# Altium PCB NG2093.PcbDoc (part 7 of 8) (continued)
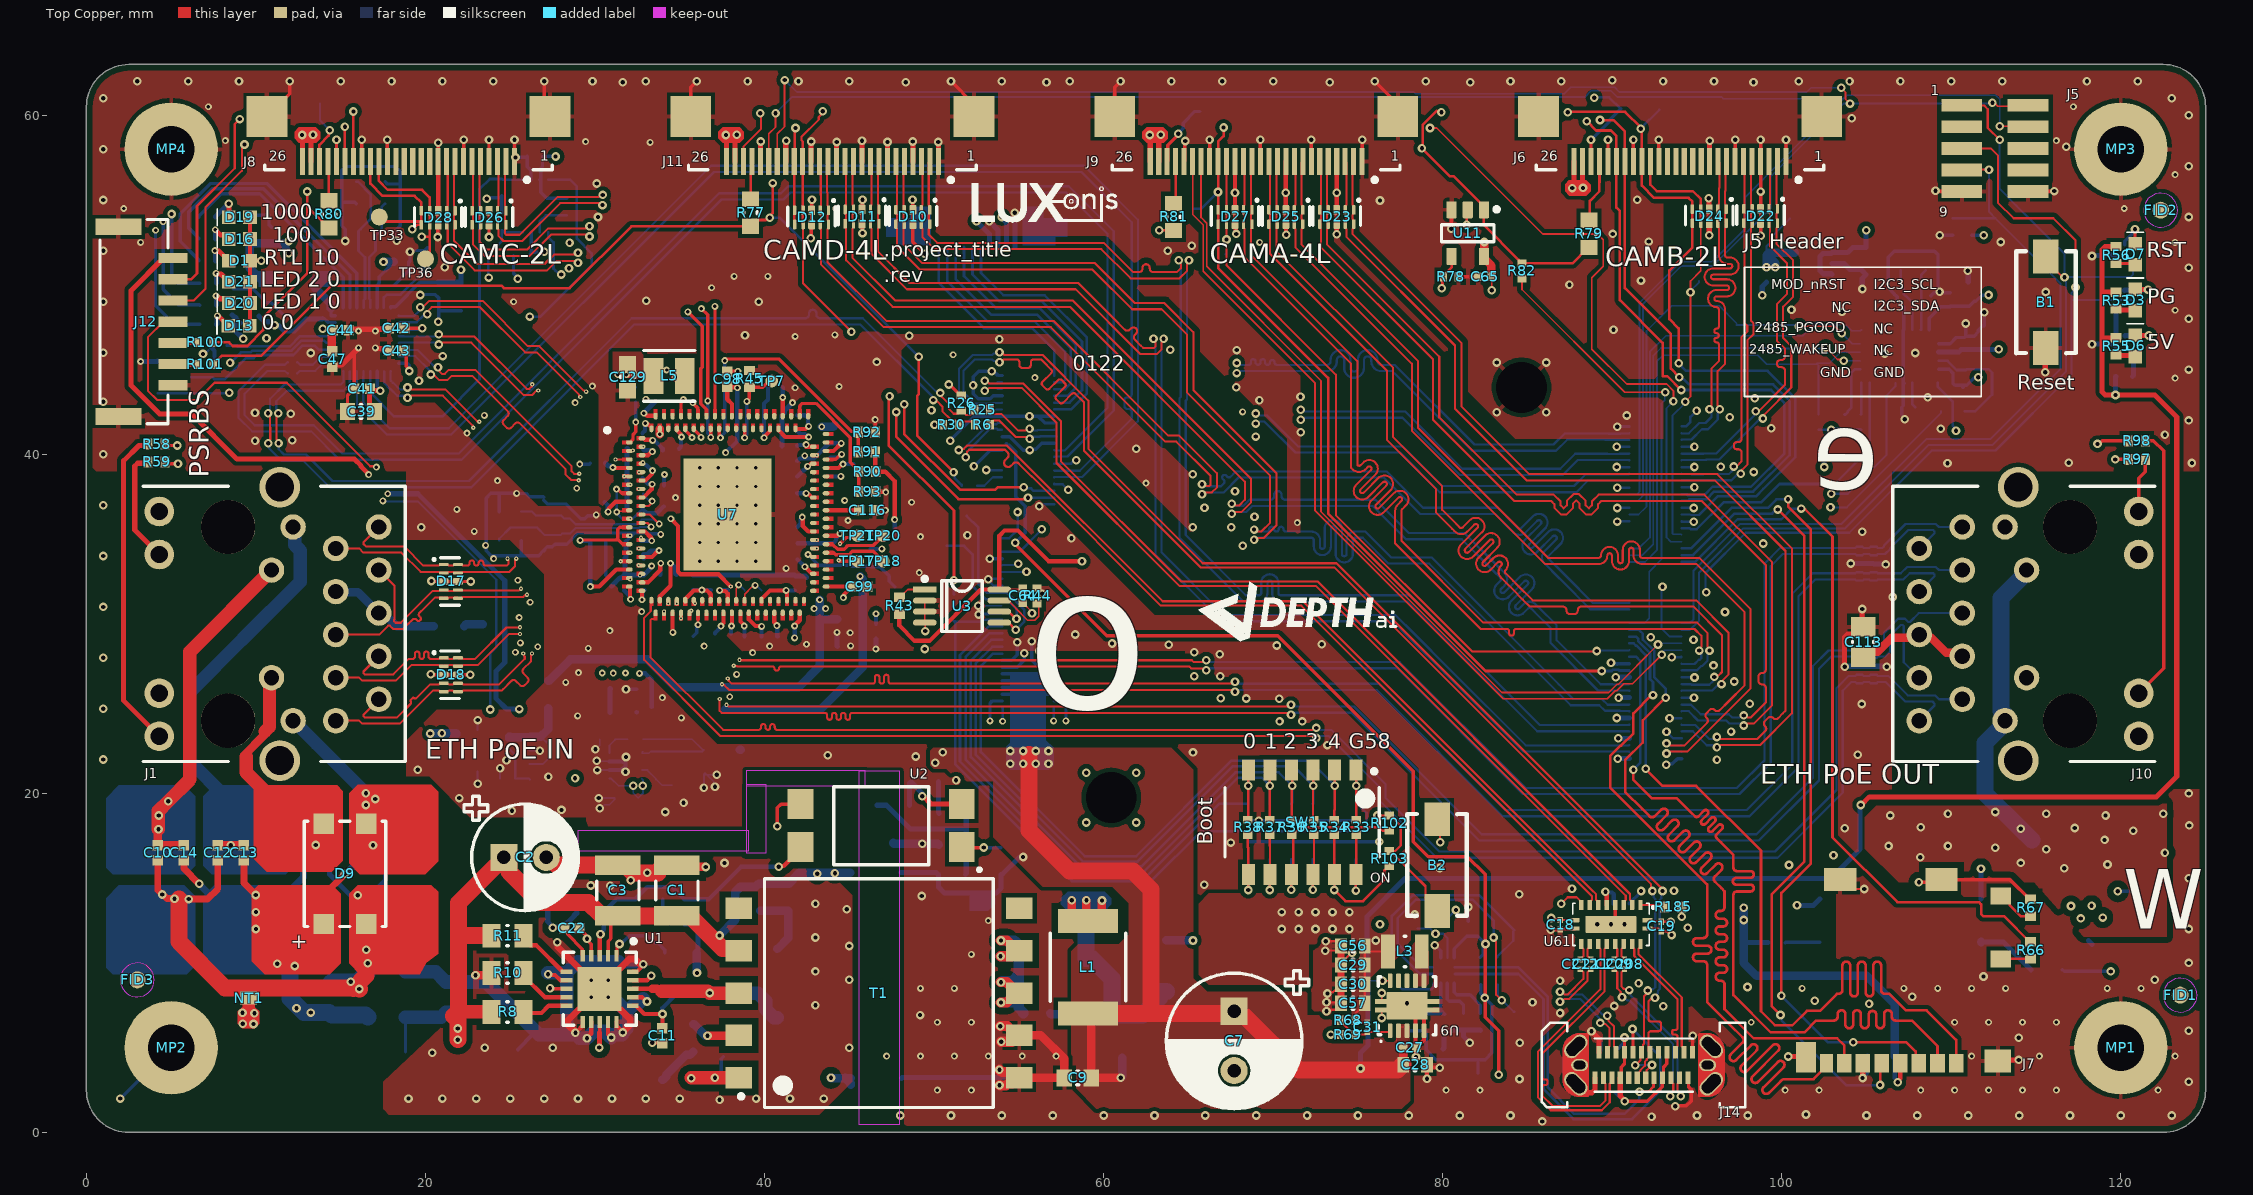
[diagram p0: Top Copper view]
## Nets (pads, with @x,y where several pads share a name; then routed paths per layer and width w, separated by ;. In a path a pad name is that pad's centre, name@x,y a point inside that pad or via, vN(x,y) a via of type N, cw(c..) or ccw(c..) an arc to the next point about the centre after c; other vN are vias at no path point) (continued)
  Top Copper w0.5: v1(22.949,9.279) 22.95,9.28 23.761,9.28 R10.1@23.889,9.409
  Bottom Copper w0.25: TP13.1@25.45,4.9 26.323,5.773 26.676,5.773
  Bottom Copper w0.5: 31.398,10.075 31.559,9.914 v1(32.848,9.914)
  Bottom Copper w0.8: FB3.2@18.796,9.475 20.6,9.475 21.2,8.875 C8.1@21.35,8.875 23.574,8.875 26.676,5.773 28.324,5.773 ; v1@27.225,9.423 28.324,9.423 ; v1@28.846,5.773 28.324,5.773 ; 29.058,5.56 v1(29.525,5.56) 29.926,5.961 30.589,5.961 v1(30.95,5.6) ; v2(30.773,7.975) 31.029,7.975 31.873,7.131 ; v1@30.95,5.773 v1@31.615,5.773 ; 31.398,10.075 28.975,10.075 28.324,9.423 ; v1(31.645,5.9) 31.873,6.128 31.873,7.131 ; 32.848,7.899 32.549,7.6 32.342,7.6 31.873,7.131 ; 28.324,5.773 28.324,9.423
  other v1: 37.348,1.932 19,2 21,2 23,2 25,2 27,2 29,2 31,2 33,2 35,2 39.5,2 41.5,2 43.5,2 20.4,4.7 23.5,5 27.5,5 45,5 43,7.5 45,9 43,9.5 45,11 43,11.5 44.85,13.175 43,13.5 29.748,14.566 30.888,14.554 37.639,15.898
  other v2: 29.773,7.975 29.773,8.975
VNEG_IN: C10.2 C12.2 C16.2 C17.2 C33.1 D8.4 D9.4 FB3.1 NT1.1 | length 37.7
  Top Copper w0.2: 9.55,8.527 9.567,8.51
  Top Copper w0.4: C10.2@4.21,16.05 4.21,14.307 v1(4.48,14.038) 4.509,14.038 4.746,13.8 5.175,13.8 v1(5.195,13.78) 5.201,13.774 5.461,13.774 6.029,13.774 v1(6.035,13.768) 7.144,13.768 7.75,14.374 C12.2@7.75,16.05
  Top Copper w1: 5.461,13.774 5.461,11.251 8.185,8.527 9.55,8.527 15.597,8.527 15.775,8.527 ; 15.748,8.5 15.775,8.527 ; v1(16.098,8.466) 16.037,8.527 15.775,8.527 ; D9.4@16.5,12.3 v1(16.5,10.776) 16.5,9.252 15.775,8.527
  Bottom Copper w0.3: C16.2@14.35,16.051 14.35,15.219 15.569,14 v1(16,14) 16.75,14 17.65,14.9 C17.2@17.65,16.063
  Bottom Copper w0.4: 4.109,13.507 D8.4@5.399,12.217
  Bottom Copper w1: C33.1@14.4,8.8 14.475,8.875 15.996,8.875 FB3.1@16.596,9.475 v1(16.596,9.975) v1@16.596,10.776
  other v1: 15.597,8.891
VNEG_OUT: J10.12 J10.14 NT1.2 U10.3 | length 140.4
  Top Copper w0.102: 9.566,7.111 NT1.2@9.566,7.745
  Top Copper w0.381: 9.566,7.111 9.809,6.868 v1@9.809,6.475
  Signal Layer 2 w0.6: 111.369,23.864 111.369,24.333 112.7,25.664 112.7,25.789 ; 112.851,26.79 114.405,26.79 J10.12@114.44,26.825
  Signal Layer 2 w1: 112.7,25.789 112.7,34.45 113.074,34.824 113.074,35.619 J10.14@113.17,35.715
  Signal Layer 2 w1.27: 9.544,6.834 9.544,6.206 12.259,3.491 34.351,3.491 35.228,4.368 42.414,4.368 52.153,14.107 54.568,14.107 59.218,9.457 75.123,9.457 75.759,10.093 78.871,10.093 79.057,9.907 82.931,9.907 83.117,10.093 84.585,10.093 84.95,10.458 109.958,10.458 111.203,11.703 111.203,16.134 ; 111.168,16.134 111.168,23.856
  Bottom Copper w0.3: v1@111.75,15.653 111.75,13.78 U10.3@111.76,13.77
  other v1: 9.231,6.418 9.859,6.398 9.911,7.036 9.205,7.062 111.751,15.551
VPOS: C1.2 C2.1 C3.2 C4.2 C8.2 C26.1 FB2.2 R4.2 R8.1 R11.1 T1.4 TP5.1 U1.2 U1.13 | length 53.4
  Top Copper w0.2: 30.273,5.9 U1.13@30.273,6.525 ; U1.2@30.773,10.425 30.773,11.281 30.932,11.44 30.932,12.359 C3.2@31.348,12.775
  Top Copper w0.3: v1(30.257,5.009) 30.273,5.024 30.273,5.9
  Top Copper w0.8: 21.662,6.875 21.896,7.109 21.941,7.109 R8.1@23.889,7.109
  Top Copper w1: 21.662,6.875 21.911,6.626 v1(21.911,6.136) v1(21.911,5.477) ; 21.941,7.109 21.941,11.609 ; R11.1@23.889,11.609 21.941,11.609 ; T1.4@38.473,10.725 38.338,10.86 37.513,10.86 35.598,12.775 C1.2@34.823,12.775 C3.2@31.348,12.775 31.273,12.85 30.323,12.85 29.62,13.553 26.752,13.553 24.923,15.382 24.923,15.925 C2.1@24.623,16.225 21.941,13.543 21.941,11.609
  Bottom Copper w0.2: FB2.2@18.8,6.8 18.825,6.775 TP5.1@18.825,4.75
  Bottom Copper w0.5: v1(37.348,11.617) 38.276,12.545 38.276,14.203 38.569,14.495 39.47,14.495 39.65,14.675 R4.2@41.4,14.675 41.45,14.675 41.65,14.875 41.65,14.925 42.05,15.325 C26.1@45.048,15.325
  Bottom Copper w0.8: FB2.2@18.8,6.8 20.925,6.8 21.2,7.075 C8.2@21.35,7.075 21.5,7.075 21.911,6.664 v1(21.911,6.136) v1(21.911,5.477)
  other v1: 43.109,15.254 44.152,15.299
VPOS_IN: C13.2 C14.2 C15.2 C33.2 C54.2 D8.1 D9.1 FB2.1 Q5.4 R51.1 | length 139.2
  Top Copper w0.4: C14.2@5.75,16.05 5.75,15.566 v1(6.649,14.667) ; C13.2@9.29,16.05 9.29,14.71 v1(9.995,14.005) v1@10,14 ; 14,14 v1(15.25,15.25)
  Signal Layer 3 w1.27: 11.596,9.921 12.181,9.921 v1(12.286,9.817) 12.775,9.328 12.775,6.05 15.309,3.516 34.088,3.516 34.989,4.417 42.467,4.417 52.173,14.123 54.439,14.123 59.105,9.457 75.123,9.457 75.759,10.093 78.871,10.093 79.057,9.907 82.931,9.907 83.117,10.093 84.585,10.093 84.95,10.458 112.483,10.458 115.025,13 117.636,13 118.75,13
  Bottom Copper w0.3: R51.1@118.088,11.312 R51.1@118.3,11.1
  Bottom Copper w0.4: v1(6.649,14.667) 7.75,13.566 7.75,13.5 ; 11.5,13.75 12.81,15.06 C15.2@12.81,16.051 ; v1(15.25,15.25) 15.271,15.271 15.318,15.271 C54.2@16.11,16.063
  Bottom Copper w1: 11.25,10.25 12,9.5 12,7.903 12.828,7.075 14.325,7.075 C33.2@14.4,7 14.475,6.925 16.475,6.925 FB2.1@16.6,6.8
  other v1: 13.23,7.071 12.394,7.329 11.252,9.96 10,12 117.636,12.626 118.932,12.676 10,13 117.061,13.356 118.275,13.37
VPOS_OUT: J10.11 J10.13 Q5.1 Q5.2 Q5.5 Q5.6 | length 18.3
  Bottom Copper w1: J10.13@114.44,33.175 114.44,33.04 112.936,31.536 112.936,24.873 113.074,24.734 113.074,24.381 J10.11@113.17,24.285 113.17,24.15 111.996,22.976 111.996,20.004 v1(114.093,17.907) 114.75,17.25
  other v1: 116.665,15.582 119.215,15.807 114.1,15.9 108.166,16.226 122.6,16.5 115.6,16.7 112.6,16.8 106.3,16.9 109.8,16.9 119.04,17.257 120.725,17.804 117.29,17.957 108.2,18 106.4,18.7 119.1,18.7 109.8,18.8 115.6,18.8 122.5,18.8 112.6,18.9
VSEC: C5.2 D5.2 T1.7 T1.8 | length 13.6
  Top Copper w0.6: v1(53.922,10.397) 53.928,10.391 54.548,10.391 54.882,10.725 T1.7@54.883,10.725 ; v1@53.925,7.664 v1(53.947,7.664) 54.282,7.664 54.883,8.265 54.282,8.866 v1(53.947,8.866) v1@53.925,8.866 ; v1@53.925,11.326 v1(53.947,11.326) 54.282,11.326 T1.7@54.883,10.725 ; T1.7@55.023,10.725 T1.7@54.883,10.725
  Bottom Copper w0.6: v1(53.922,10.397) 54.913,10.397 D5.2@54.991,10.475 ; v1(53.947,7.664) 54.881,7.664 54.991,7.774 ; v1(53.947,8.866) 54.016,8.935 54.596,8.935 D5.2@54.991,9.33 ; v1(53.947,11.326) 54.752,11.326 54.991,11.087 D5.2@54.991,10.475 ; C5.2@55.255,7.024 55.255,7.074 54.991,7.338 54.991,7.774 ; 54.991,7.774 D5.2@54.991,9.33 ; D5.2@54.991,9.33 D5.2@54.991,10.475
VSS: C1.1 C2.2 C3.1 C11.1 C22.1 C24.1 C25.1 R13.2 T1.1 TP12.1 U1.4 U1.19 U2.3 | length 64.9
  Top Copper w0.2: C22.1@29.073,12.041 29.469,11.645 29.469,11.492 v1(29.528,11.433) 29.528,11.35 29.773,11.104 U1.4@29.773,10.425 ; v1(33.376,5.299) 33.934,5.299 C11.1@33.975,5.258 ; v1@35.543,3.355 35.628,3.27 35.673,3.225 35.679,3.22 38.468,3.22 T1.1@38.473,3.225 ; v1(40.749,18.058) 40.749,19.149 40.97,19.37 U2.3@42.115,19.37
  Top Copper w0.25: U1.19@32.223,8.975 33.075,8.975 33.325,9.225 v1(33.325,9.25) ; v1@35.628,3.27 35.628,3.25 v1(35.677,3.201)
  Top Copper w0.5: C3.1@31.348,15.775 31.775,15.775 32.1,15.45 v1(32.1,14.875) ; C1.1@34.823,15.775 34.936,15.662 36.527,15.662 v1(36.529,15.66)
  Top Copper w0.8: v1@35.673,3.225 v1(37.073,3.225) T1.1@38.473,3.225
  Top Copper w1: C2.2@27.123,16.225 27.285,16.225 27.735,15.775 C3.1@31.348,15.775 ; C3.1@32.1,15.45 32.238,15.312 v1(33.075,15.312) 33.706,15.312 33.706,15.433 34.048,15.775 C1.1@34.823,15.775
  Signal Layer 1 w0.5: 25.876,10.359 28.809,10.359 ; v1(29.528,11.433) 29.528,11.431 29.102,11.005 29.102,10.652 28.809,10.359 ; v1(36.016,9.412) 36.014,9.412 35.852,9.25 33.327,9.25 v1(33.325,9.25) 33.323,9.25 33.229,9.156 31.892,9.156 30.689,10.359 28.809,10.359
  Signal Layer 1 w1: C2.2@27.123,16.225 27.008,16.11 27.008,15.108 25.876,13.976 25.876,10.359 25.876,3.787 26.461,3.201 v1(35.677,3.201)
  Bottom Copper w0.2: v1@35.736,3.142 v1(35.677,3.201) v1@35.761,3.201 ; v1(37.073,3.225) 37.073,3.268 37.443,3.638 37.443,4.36 TP12.1@37.562,4.478
  Bottom Copper w0.3: C24.1@35.273,12.3 35.738,12.3 36.077,11.962 R13.2@36.077,10.527
  Bottom Copper w0.5: R13.2@36.013,10.59 36.016,10.587 36.016,10.466 36.015,10.465 36.015,9.414 v1(36.016,9.412) ; v1(43.918,3.225) 43.921,3.225 43.946,3.2 C25.1@44.775,3.2 ; C25.1@44.75,3.225 C25.1@44.775,3.2 ; C25.1@45.075,2.8 45.075,2.9 C25.1@44.775,3.2 ; C25.1@45.075,3.2 C25.1@44.775,3.2
VT15V: C11.2 D2.1 TP8.1 U1.16 | length 5
  Top Copper w0.254: U1.16@32.223,7.475 32.444,7.475 32.446,7.473 32.446,7.447 32.902,6.991 v1(33.982,6.991) 33.978,6.988 33.978,6.162 C11.2@33.975,6.158
  Bottom Copper w0.254: D2.1@33.975,6.25 33.982,6.257 v1(33.982,6.991) ; v1@33.975,6.984 33.975,7.342 TP8.1@34.725,8.092
WAKE: J3.52 U12.6 | length 66
  Signal Layer 2 w0.152: v1(54.925,36.6) 55.5,36.025 55.5,35.825 56.375,34.95 56.65,34.95 58.775,32.825 78.85,32.825 81.025,35 95.325,35 101.3,40.975 109.85,40.975 v1(110.275,41.4)
  Bottom Copper w0.152: J3.52@54.01,35.05 54.425,35.05 54.925,35.55 v1(54.925,36.6) ; U12.6@109.2,44.212 109.2,44 110.075,43.125 110.075,41.696 110.275,41.496 v1(110.275,41.4)
XI: C48.2 R47.1 U4.28 X1.1 | length 8.3
  Bottom Copper w0.152: X1.1@15.917,56.085 16.017,56.085 16.767,55.335 16.767,53.885 C48.2@16.167,53.285 16.05,53.168 R47.1@16.05,52.05 16.05,52 16.432,51.618 16.432,49.171 16.35,49.089 U4.28@16.35,48.65
XIN: C96.2 U12.27 Y1.1 | length 3.6
  Bottom Copper w0.152: U12.27@108.2,47.337 108.216,47.353 108.216,50.581 Y1.1@108.491,50.857
XO: C49.2 R47.2 U4.29 X1.3 | length 6.5
  Bottom Copper w0.152: U4.29@16.75,48.65 16.75,49.101 16.686,49.165 16.686,51.636 17.05,52 R47.2@17.05,52.05 17.05,52.918 C49.2@17.417,53.285 17.417,54.585 X1.3@17.617,54.785
XOUT: C95.2 U12.26 Y1.2 | length 3.8
  Bottom Copper w0.15: Y1.2@107.031,50.857 107.031,49.914 107.204,49.742 107.204,49.442 107.289,49.357 C95.2@107.291,49.357 107.311,49.357 107.7,48.968 U12.26@107.7,47.337
pads on no net: FID1.1 FID2.1 FID3.1 FID4.1 FID5.1 FID6.1 J1. J2.43 J2.44 J2.45 J2.47 J2.49 J2.50 J2.51 J2.52 J2.53 J2.54 J2.55 J2.56 J2.57 J2.58 J2.66 J2.68 J2.70 J3.17 J3.19 J3.21 J3.23 J3.25 J3.27 J3.29 J3.31 J3.33 J3.35 J3.37 J3.39 J3.41 J3.43 J3.45 J3.47 J3.49 J3.50 J3.51 J3.53 J3.54 J3.55 J3.56 J3.58 J3.60 J3.62 J3.64 J3.66 J3.68 J3.74 J3.76 J4.11 J4.12 J5.3 J5.6 J5.8 J6.11 J6.12 J6.13 J6.14 J6.15 J8.11 J8.12 J8.13 J8.14 J8.15 J10. J14.A8 J14.B8 T1.5 T1.6 U7.A31 U7.A32 U7.A37 U7.A38 U7.A40 U7.A41 U7.A48 U7.A49 U7.A50 U7.A54 U7.A55 U7.A57 U7.A58 U7.A59 U7.A60 U7.A64 U7.A65 U7.A68 U7.A70 U7.A72 U7.A73 U7.A74 U7.A75 U7.A76 U7.A78 U7.A84 U7.A85 U7.B26 U7.B28 U7.B32 U7.B34 U7.B35 U7.B37 U7.B38 U7.B39 U7.B40 U7.B42 U7.B47 U7.B48 U7.B49 U7.B51 U7.B52 U7.B53 U7.B60 U7.B63 U7.B64 U7.B66 U7.B67 U7.B74 U8.4 U9.8 U9.9 U12.1 U12.7 U12.8 U12.12 U12.13 U12.21 U12.22 U12.23 U12.24 U14.6 U62.9

## Polygon pours and split planes (outlines as drawn)
GND on Bottom Copper "GND_L6_P-001" (solid, remove dead copper, pour order 540): 0.388,20.434 0.388,60.5 cw(c2.5,60.5) 2.5,62.612 122.5,62.612 cw(c122.5,60.5) 124.612,60.5 124.612,2.5 cw(c122.5,2.5) 122.5,0.388 48.112,0.388 cw(c48.111,0.9) 47.6,0.9 47.6,19.643 ccw(c46.543,19.643) 46.543,20.7 40,20.7 ccw(c40,20.3) 39.6,20.3 cw(c36.6,20.3) 36.6,17.3 19.8,18.4 cw(c18.448,19.129) 17.453,20.3
VNEG on Bottom Copper "VNEG_L6_P-001" (solid, remove dead copper, pour order 527): 19.225,1.475 17.696,3.004 17.696,12.996 21.325,16.625 39.025,16.625 46.748,16.625 46.748,1.475
VPOS_OUT on Bottom Copper "3v3_L01_P-001" (solid, remove dead copper, pour order 523): 122.9,14.9 123.238,15.238 123.238,21.287 122.948,21.576 116.076,21.576 114.75,20.25 113.425,20.25 112.099,21.576 106.076,21.576 105.5,21 105.5,16.216 106.816,14.9
VPOS_IN on Bottom Copper "3v3_L01_P-001" (solid, remove dead copper, pour order 520): 114.4,10.877 116.973,10.877 117.55,10.3 122.923,10.3 123.256,10.633 123.256,14.303 122.959,14.6 121.1,14.6 120.25,13.75 119.856,13.75 119.33,14.276 119.33,14.6 114.213,14.6 113.604,13.991 113.604,11.619 114.4,10.824
1V2_A on Bottom Copper "1V2_A_L06_P514" (solid, pour order 514): 30.15,27.425 32.075,27.425 32.2,27.3 32.2,26.25 31.6,25.65 30.425,25.65 30.15,25.925
1V2 on Bottom Copper "1V2_L06_P518" (solid, pour order 518): 37.895,22.125 39.325,22.125 39.6,22.4 39.6,24.25 38.625,25.225 35.725,25.225 35.55,25.4 31.825,25.4 31.825,24.25 32.55,23.525 36.775,23.525
NetC60_2 on Bottom Copper "NETC60_2_L06_P511" (solid, pour order 511): 33.375,23.475 36.675,23.475 37.575,22.575 38.375,21.775 38.675,21.775 38.975,21.475 38.975,20.425 38.775,20.225 37.775,20.225 37.525,20.475 37.525,20.9 36.625,21.8 33.8,21.8 33.375,22.225
NetL4_1 on Bottom Copper "NETL4_1_L06_P496" (solid, remove dead copper, pour order 496): 32.55,21.25 32.9,21.25 33.325,20.825 33.325,20.275 33.625,19.975 35.575,19.975 35.7,20.1 35.7,20.475 35.125,21.05 34.5,21.05 34.025,21.525 32.55,21.525
5V_PoE on Bottom Copper "5V_POE_L06_P519" (solid, remove dead copper, pour order 519): 32.55,21 32.275,20.725 32.15,20.725 31.9,20.475 31.9,19.825 32.35,19.375 32.9,19.375 33.125,19.6 33.125,20.95 33.075,21 33,21
3V3 on Bottom Copper "3V3_L06_P534" (solid, remove dead copper, pour order 534): 24.45,23.3 24.45,22.325 23.95,21.825 22.875,21.825 21.525,23.175 21.525,23.4 21.9,23.775 22.45,23.775 23,23.225 24.075,23.225 24.225,23.375 24.375,23.375
VPOS_IN on Bottom Copper "VPOS_IN_L6_P001" (solid, remove dead copper, pour order 528): 17.15,4.032 16.618,3.5 9,3.5 6.891,5.609 6.891,13.93 7.532,14.571 11.989,14.571 12.775,13.785 12.775,8.035 12.96,7.85 17.15,7.85
VNEG_IN on Bottom Copper "VNEG_IN_L6_P-001" (solid, remove dead copper, pour order 533): 17.102,8.279 13.633,8.279 13.161,8.751 13.161,13.661 14,14.5 17.15,14.5 17.454,14.196 17.454,8.631
GND on Signal Layer 2 "GND_L3_P-001" (solid, remove dead copper, pour order 522): 5.325,0.375 2.65,0.375 cw(c2.65,2.675) 0.35,2.675 0.35,60.4 cw(c2.575,60.4) 2.575,62.625 122.372,62.625 cw(c122.361,60.361) 124.625,60.35 124.625,2.65 cw(c122.354,2.658) 122.346,0.387
1V8 on Signal Layer 2 "1V8_L03_P508" (solid, remove dead copper, pour order 508): 108,59.15 114.25,52.9 114.25,42.8 112.55,41.1 95.375,41.1 80.05,56.425 27.525,56.425 27.05,56.9 27.05,58.025 28.175,59.15 107.925,59.15
PCIE_1V0 on Signal Layer 2 "PCIE_1V0_L03_P-001" (solid, remove dead copper, pour order 502): 11.311,53.25 10.58,52.519 10.58,46.681 12.886,44.375 14.36,44.375 19.317,44.375 20.406,45.464 20.406,49.519 17.875,52.05 16.35,52.05 14.579,52.05 13.379,53.25
VPOS on Signal Layer 2 "VPOS_L3_P-001" (solid, remove dead copper, pour order 504): 23.376,16.976 24,17.6 36.5,17.6 37.1,18.2 37.368,18.468 44.032,18.468 45.623,16.877 45.623,8.923 41.1,4.4 21.553,4.4 20.355,5.598 20.355,13.955 23.363,16.963
GND on Top Copper "GND_L1_P-001" (solid, remove dead copper, pour order 536): 0.388,18.604 0.388,60.5 cw(c2.5,60.5) 2.5,62.612 122.5,62.612 cw(c122.5,60.5) 124.612,60.5 124.612,2.5 cw(c122.5,2.5) 122.5,0.388 48.112,0.388 cw(c48.112,0.9) 47.6,0.9 47.6,19.643 ccw(c46.543,19.643) 46.543,20.7 40,20.7 ccw(c40,20.3) 39.6,20.3 39.6,17.6 cw(c39.3,17.6) 39.3,17.3 30.779,17.3 cw(c30.779,18.604) 29.475,18.604
VNEG on Top Copper "VPOS_L1_P001" (solid, remove dead copper, pour order 521): 23.273,17.3 17.5,11.527 17.5,1.383 17.833,1.05 43.225,1.05 45.25,3.075 45.25,13.923 42.548,16.625 29.412,16.625 28.737,17.3
5V_PoE on Top Copper "3v3_L01_P-001" (solid, remove dead copper, pour order 513): 78.075,6.225 78.075,1.875 77.6,1.4 59.577,1.4 58.1,2.877 58.1,10.7 58.5,11.1 60.9,11.1 61.475,11.675 61.475,13.525 60.5,14.5 56.4,14.5 53.5,17.4 53.5,20.72 51.455,20.72 50.713,21.462 49.979,21.462 49.771,21.66 49.771,22.504 49.953,22.685 53.16,22.685 54.041,22.7 64,22.7 65.3,21.4 65.3,9.1 66.1,8.3 70.055,8.3 72.021,8.3 72.018,6.9 77.4,6.9
VPOS_OUT on Top Copper "VPOS_OUT_L1_P-001" (solid, remove dead copper, pour order 524): 105.7,19.4 104.9,18.6 104.9,16.745 106.889,14.756 114.88,14.756 117.8,11.55 122.7,11.55 122.7,19.4
1V2 on Top Copper "1V2_L01_P494" (solid, pour order 494): 31.05,46.038 32.7,46.038 32.85,45.888 32.85,44.787 32.675,44.612 31.3,44.612 31.05,44.863
LX1 on Top Copper "LX1_L01_P493" (solid, remove dead copper, pour order 493): 78.3,8.625 79.025,8.625 79.175,8.775 79.175,11.325 78.475,11.325 78.05,10.9 78.05,9.5 78.35,9.2 78.35,9.075
3V3 on Top Copper "3v3_L01_P-001" (solid, remove dead copper, pour order 512): 74.7,11.1 74.65,11.05 74.65,6.85 75,6.5 75.6,6.5 75.7,6.6 75.7,9.075 76.6,9.975 77,9.975 77.287,10.288 78.775,11.775 78.775,13.625 78.3,14.1 66.2,14.1 65.6,13.5 65.6,9.3 66.2,8.7 69.7,8.7 72.1,8.7 72.1,11.1
5V_PoE on Top Copper "5V_POE_L01_P525" (solid, remove dead copper, pour order 525): 77.275,6.2 77.275,4.975 77.475,4.775 77.825,4.775 78.025,4.975 78.025,6.2
GND on Signal Layer 3 "C" (solid, remove dead copper, pour order 556): 2.575,0.4 cw(c2.575,2.6) 0.375,2.6 0.375,60.575 cw(c2.4,60.575) 2.4,62.6 122.567,62.6 cw(c122.567,60.559) 124.608,60.559 124.608,2.358 cw(c122.65,2.358) 122.65,0.4
3V3 on Signal Layer 3 "C" (solid, remove dead copper, pour order 537): 68.75,11.5 81,11.5 81.75,12.25 111.5,12.25 116,16.75 122,16.75 122.5,17.25 122.5,50.156 112.99,59.666 11.666,59.666 2.2,50.2 2.2,19.954 3.55,18.604 55.4,18.604 62.55,11.454
GND on Signal Layer 3 "GND_L04_P505" (solid, pour order 505): 17.55,50 24.725,50 33.65,41.075 33.65,32.175 36.85,32.175 39.975,29.05 39.975,25.05 37.975,23.05 24.975,23.05 21.975,26.05 21.975,34.675 17.55,39.1 17.55,49.325
GND on Signal Layer 3 "GND_L04_P539" (solid, remove dead copper, pour order 539): 66.025,45.675 66.025,42.4 68.3,40.125 72.75,40.125 74.875,42.25 74.875,47.675 69.825,52.725 47.1,52.725 43.4,56.425 29.375,56.425 27.375,54.425 27.375,50.925 28.175,50.125 40.325,50.125 43.45,47 64.7,47
2V5 on Signal Layer 3 "Signal Layer 3-2V5" (solid, pour order 535): 42.55,30.8 42.85,30.5 43.75,30.5 44.05,30.8 44.05,31.975 43.75,32.275 43.75,35.375 42.375,36.75 41.875,36.75 41.875,32.95 42.55,32.275
VNEG on Signal Layer 3 "VNEG_L4_P-001" (solid, remove dead copper, pour order 545): 20,15.5 22.1,17.6 36.5,17.6 37.1,18.2 37.368,18.468 41.966,18.468 43.2,17.234 43.2,6.433 41.067,4.3 20.8,4.3 20,5.1
GND on Signal Layer 4 "GND_L5_P-001" (solid, remove dead copper, pour order 555): 2.5,0.25 cw(c2.5,2.5) 0.25,2.5 0.25,60.25 cw(c2.75,60.25) 2.75,62.75 122.21,62.75 cw(c122.21,60.21) 124.75,60.21 124.75,2.75 cw(c122.25,2.75) 122.25,0.25
1V2 on Signal Layer 4 "Signal Layer 3-1V2" (solid, pour order 517): 35.1,41.425 41.725,41.425 42.1,41.05 42.1,36.75 44.075,34.775 44.8,34.775 44.8,35.525 43.7,36.625 43.7,41.975 43.125,42.55 35.6,42.55 34.425,43.725 34.425,45.025 31.425,45.025 31.425,43.6 32.55,43.6 33.275,42.875 33.275,42.05 32.525,41.3 33.225,40.6 34.275,40.6
1V2_A on Signal Layer 4 "Signal Layer 3-1V2_A" (solid, pour order 543): 32.25,30.703 32.773,31.225 41.225,31.225 41.575,31.575 41.575,32.25 35.575,32.25 34.749,33.076 34.75,33.625 34.528,33.847 34.347,33.847 34.13,33.63 34.13,33.125 32.95,33.125 32.95,38.575 33.75,39.375 33.75,40.075 33.375,40.45 33.1,40.45 31.9,39.25 31.9,38.6 31.9,36.2 31.15,35.45 28.975,35.45 28.625,35.1 28.625,34.775 28.975,34.425 30.4,34.425 30.725,34.1 30.725,33.55 29.975,32.8 29.975,26.85 32.25,26.85
3V3 on Signal Layer 4 "3V3_L06" (solid, pour order 510): 30.15,36.05 30.85,36.05 31.8,37 31.8,40.875 33.325,42.4 33.325,43.575 32.675,43.575 32.261,43.161 31.913,43.162 30.15,43.162
3V3 on Signal Layer 4 "Signal Layer 4-3V3" (solid, pour order 501): 41.025,29.175 41.4,28.8 42.05,28.8 42.05,30.95 33.775,30.95 33.775,29.75 34.35,29.175
VSS on Signal Layer 4 "VSS_L5_P-001" (solid, remove dead copper, pour order 548): 25.876,15.184 25.876,16.984 26.5,17.609 39,17.609 39.6,18.209 39.868,18.476 44.466,18.476 45.7,17.242 45.7,2.7 44.751,1.75 26.232,1.75 25.2,2.782 25.2,14.509 25.873,15.182 25.873,15.555
GND on Signal Layer 1 "GND_L2_P-001" (solid, remove dead copper, pour order 526): 2.525,0.275 cw(c2.525,2.5) 0.3,2.5 0.25,60.25 cw(c2.75,60.25) 2.75,62.75 122.21,62.75 cw(c122.21,60.21) 124.75,60.21 124.75,2.75 cw(c122.25,2.75) 122.25,0.25
5V_PoE on Signal Layer 1 "5V_POE_L02_P506" (solid, remove dead copper, pour order 506): 51.15,22.3 51.15,21.625 51.062,21.562 49.3,19.8 29.7,19.8 28.475,21.025 28.475,22.2 29,22.725 50.725,22.725
VSS on Signal Layer 1 "VSS_L2_P-001" (solid, remove dead copper, pour order 507): 25.876,15.176 25.876,16.976 26.5,17.6 39,17.6 39.6,18.2 39.868,18.468 44.466,18.468 45.7,17.234 45.7,2.691 45.059,2.05 25.923,2.05 25.2,2.773 25.2,14.5 25.873,15.173 25.873,15.547

## Keep-outs
Top Copper:
  rectangle: 28.973,16.632 39.073,17.807
  region: 45.939,21.325 38.93,21.325 38.93,20.45 45.939,20.45
  region: 40.098,16.5 40.098,20.525 38.923,20.525 38.923,16.5
  region: 45.555,21.3 45.555,0.488 47.973,0.488 47.973,21.3
Bottom Copper:
  region: 44.009,18.784 46.489,16.304 47.077,16.893 44.597,19.372
  region: 44.597,19.372 39.397,19.372 39.397,18.616 44.597,18.616
  region: 40.296,16.123 40.296,19.25 39.373,19.25 39.373,16.123
  region: 47.055,0.484 47.055,17.165 46.132,17.165 46.132,0.484
  rectangle: 28.712,16.859 40.305,17.782

## Other copper
Top Copper:
  rectangle net VNEG_OUT: 9.199,7.353 9.934,7.571
  pour cut-out: 17.5,1.383 4.125,1.383 cw(c4.124,3.923) 1.585,3.923 1.585,19.338 3.246,21 20.216,21 23.316,17.9 39.512,17.9 39.512,17.3 21.114,17.3 21.114,6.376 17.5,3
  pour cut-out: 32.675,31.65 35.4,31.65 38.675,28.375 38.725,28.425 64.825,28.425 64.825,28.05 67.45,25.425 69.975,25.425 69.975,24.925 70.975,23.925 71.85,23.925 71.925,23.85 71.925,23.05 71.775,22.9 37.225,22.9 32.675,27.45
  pour cut-out: 64.212,57.637 64.212,54.438 71.6,47.05 71.6,30.55 95.4,6.75 103.2,6.75 103.2,35.719 96.787,42.131 96.787,42.813 97.09,42.813 99.524,45.247 99.524,48.632 99.524,57.709 93.012,57.708 93.012,45.906 93.012,40.924 84.276,40.924 75.887,49.312 73.437,51.762 73.437,57.637
  pour cut-out: 30.225,36.95 26.65,36.95 20.512,43.088 18.6,43.088 18.6,44.15 20.035,44.64 21.126,45.731 21.126,47.953 19.747,49.332 19.747,49.722 20.175,50.15 23.6,50.15 30.225,43.525
  pour cut-out: 18.325,23.1 18.85,23.1 20.675,24.925 25.4,24.925 27,26.525 27,32.928 24.973,34.955 18.349,34.975
  region net 3V3: 88.72,55.509 88.72,55.909 88.47,56.159 87.449,56.159 87.22,55.93 87.22,55.509 87.47,55.259 88.47,55.259
  region net 3V3: 37.28,59.041 37.28,58.641 37.53,58.391 38.551,58.391 38.78,58.62 38.78,59.041 38.53,59.291 37.53,59.291
  region net 3V3: 62.28,59.041 62.28,58.641 62.53,58.391 63.551,58.391 63.78,58.62 63.78,59.041 63.53,59.291 62.53,59.291
  region net 3V3: 12.28,59.041 12.28,58.641 12.53,58.391 13.551,58.391 13.78,58.62 13.78,59.041 13.53,59.291 12.53,59.291
  pour cut-out: 71.945,34.746 71.945,32.046 70.397,30.498 63.029,30.498 55.179,38.348 51.65,38.348 48.056,41.942 48.056,46.129 48.45,46.523 56.629,46.523 60.075,43.077 60.075,40.473 65.125,35.423 71.305,35.423
  pour cut-out: 65.025,38.95 65.025,35.95 66.45,34.525 70.075,34.525 70.825,35.275 70.825,40.925 59.536,52.214 47.245,52.214 46.25,53.209 46.25,56.475 41.9,56.475 41.9,51.114 45.777,47.237 56.738,47.237 62.575,41.4
  pour cut-out: 0.359,21 18.865,21 18.865,39 0.359,39
  pour cut-out: 125,20.25 106.494,20.25 106.494,39 125,39
  region net VPOS_IN: 15.009,9.987 15.009,14.096 14.509,14.596 10.15,14.596 9.759,14.204 9.759,10.096 10.509,9.346 14.368,9.346
  region net SP1: 15.127,16.023 15.127,20.132 14.784,20.475 10.112,20.475 9.877,20.24 9.877,16.132 10.627,15.382 14.486,15.382
  region net SP2: 15.491,15.887 15.491,19.996 15.991,20.496 20.35,20.496 20.741,20.104 20.741,15.996 19.991,15.246 16.132,15.246
  region net VNEG_IN: 15.491,9.987 15.491,14.096 15.991,14.596 20.35,14.596 20.741,14.204 20.741,10.541 20.037,10.008 19.665,9.346 16.132,9.346
  region net VNEG_OUT: 9.186,6.149 8.936,6.399 8.936,7.149 9.186,7.399 9.936,7.399 10.186,7.149 10.186,6.399 9.936,6.149
Signal Layer 1:
  pour cut-out: 26.083,1.383 4.125,1.383 cw(c4.125,3.923) 1.585,3.923 1.585,19.338 2.846,20.6 18.3,20.6 20.27,18.63 35.969,18.63 37.059,19.721 47.809,19.721 48.392,19.138 48.392,1.892 47.883,1.383 44.899,1.383 46,2.484 46,17.436 44.609,18.826 39.719,18.826 38.759,17.866 26.141,17.866 24.839,16.564 24.839,2.867 26.044,1.662
  pour cut-out: 43.976,58.125 43.024,58.125 43.024,56.422 43.976,56.422 43.976,58.126
  pour cut-out: 45.476,58.125 44.524,58.125 44.524,56.422 45.476,56.422 45.476,58.126
  pour cut-out: 26.083,1.383 44.899,1.383 45.051,1.535 44.836,1.75 25.625,1.75 25.5,1.625
  pour cut-out: 90.173,3.65 89.259,3.65 89.259,2.768 90.173,2.768
  pour cut-out: 94.173,3.65 93.259,3.65 93.259,2.768 94.173,2.768
  pour cut-out: 93.527,4.301 94.441,4.301 94.441,5.183 93.527,5.183
  pour cut-out: 89.527,4.301 90.441,4.301 90.441,5.183 89.527,5.183
  pour cut-out: 64.022,58.125 64.974,58.125 64.974,56.422 64.021,56.422 64.021,58.125
  pour cut-out: 65.522,58.125 66.474,58.125 66.474,56.422 65.521,56.422 65.521,58.125
  pour cut-out: 70.978,58.125 70.026,58.125 70.026,56.422 70.978,56.422 70.978,58.125
  pour cut-out: 69.478,58.125 68.526,58.125 68.526,56.422 69.478,56.422 69.478,58.125
  pour cut-out: 67.978,58.125 67.026,58.125 67.026,56.422 67.979,56.422 67.979,58.125
  pour cut-out: 49.976,58.125 49.024,58.125 49.024,56.422 49.976,56.422 49.976,58.126
  pour cut-out: 48.476,58.125 47.524,58.125 47.524,56.422 48.476,56.422 48.476,58.126
  pour cut-out: 46.951,58.125 45.999,58.125 45.999,56.422 46.951,56.422 46.951,58.126
  pour cut-out: 95.022,58.125 95.974,58.125 95.974,56.422 95.021,56.422 95.021,58.125
  pour cut-out: 93.522,58.125 94.474,58.125 94.474,56.422 93.521,56.422 93.521,58.125
  pour cut-out: 92.022,58.125 92.974,58.125 92.974,56.422 92.021,56.422 92.021,58.125
Signal Layer 2:
  pour cut-out: 22.644,1.383 4.125,1.383 cw(c4.125,3.923) 1.585,3.923 1.585,19.338 2.846,20.6 18.3,20.6 20.27,18.63 35.969,18.63 37.059,19.721 47.809,19.721 48.392,19.138 48.392,10 46,10 46,17.436 44.609,18.826 37.484,18.826 36.524,17.866 23.839,17.866 20.27,14.297 20.27,5.73 22.329,3.671
  pour cut-out: 68.7,40.725 71.875,40.725 73.9,42.75 73.9,46.7 68.625,51.975 45.7,51.975 41.425,56.25 29.7,56.25 29.7,54.3 26.6,51.2 27.075,50.725 40.125,50.725 43.55,47.3 66.075,47.3 67.025,46.35 67.025,42.4
  pour cut-out: 32.825,36.1 32.825,32 27.9,27.075 25.175,27.075 24.825,27.425 24.825,31.975 23.075,33.725 23.075,34.95 24.225,36.1
  pour cut-out: 33.35,30.1 37.15,30.1 38.95,28.3 38.95,26.95 38.25,26.25 38.25,24.7 37.075,24.7 33.35,28.425
  pour cut-out: 29.6,44.425 32.875,41.15 32.875,37.05 32.55,36.725 26.875,36.725 22.025,41.575 22.025,41.65 27.2,46.825 29.225,44.8
Signal Layer 3:
  pour cut-out: 4.125,1.383 cw(c4.125,3.907) 1.6,3.907 1.6,20.39 cw(c2.21,20.39) 2.21,21 17.9,21 20.275,18.625 35.964,18.625 37.059,19.721 43.279,19.721 45.025,17.975 45.025,7.925 43.6,6.5 43.6,6.05 43.279,6.371 43.279,17.216 42.027,18.468 37.368,18.468 36.5,17.6 22.1,17.6 20,15.5 20,5.1 21.625,3.475 21.625,1.4
Signal Layer 4:
  pour cut-out: 26.083,1.383 4.125,1.383 cw(c4.125,3.923) 1.585,3.923 1.585,19.338 2.846,20.6 18.3,20.6 20.27,18.63 35.969,18.63 37.059,19.721 47.809,19.721 48.392,19.138 48.392,1.892 47.883,1.383 44.899,1.383 46,2.484 46,17.436 44.609,18.826 39.719,18.826 38.759,17.866 26.141,17.866 24.839,16.564 24.839,2.867 26.044,1.662
  pour cut-out: 94.44,22.937 94.44,22.357 93.74,22.357 93.74,22.937
  pour cut-out: 94.432,24.145 94.432,23.565 93.732,23.565 93.732,24.145
  pour cut-out: 94.448,25.335 94.448,24.755 93.748,24.755 93.748,25.335
  pour cut-out: 94.434,26.531 94.434,25.951 93.734,25.951 93.734,26.531
  pour cut-out: 94.44,27.734 94.44,27.154 93.74,27.154 93.74,27.734
  pour cut-out: 94.44,38.957 94.44,38.377 93.74,38.377 93.74,38.957
  pour cut-out: 94.44,40.743 94.44,41.323 93.74,41.323 93.74,40.743
  pour cut-out: 94.44,40.157 94.44,39.577 93.74,39.577 93.74,40.157
  pour cut-out: 90.668,38.948 90.668,38.368 91.368,38.368 91.368,38.948
  pour cut-out: 90.668,40.148 90.668,39.568 91.368,39.568 91.368,40.148
  pour cut-out: 90.66,41.34 90.66,40.76 91.36,40.76 91.36,41.34